# Altium PCB Display.PcbDoc
Units mm, origin at the board's own origin, x right, y up, seen from the top; angles counter-clockwise.
Board outline 140.59 x 160.1 mm, 2 copper layers (Top Layer, Bottom Layer), stack 0.9 mm thick; 128 components, 69 nets, 390 pads, 174 vias.
Unrouted connection lines stored in the file: 133.
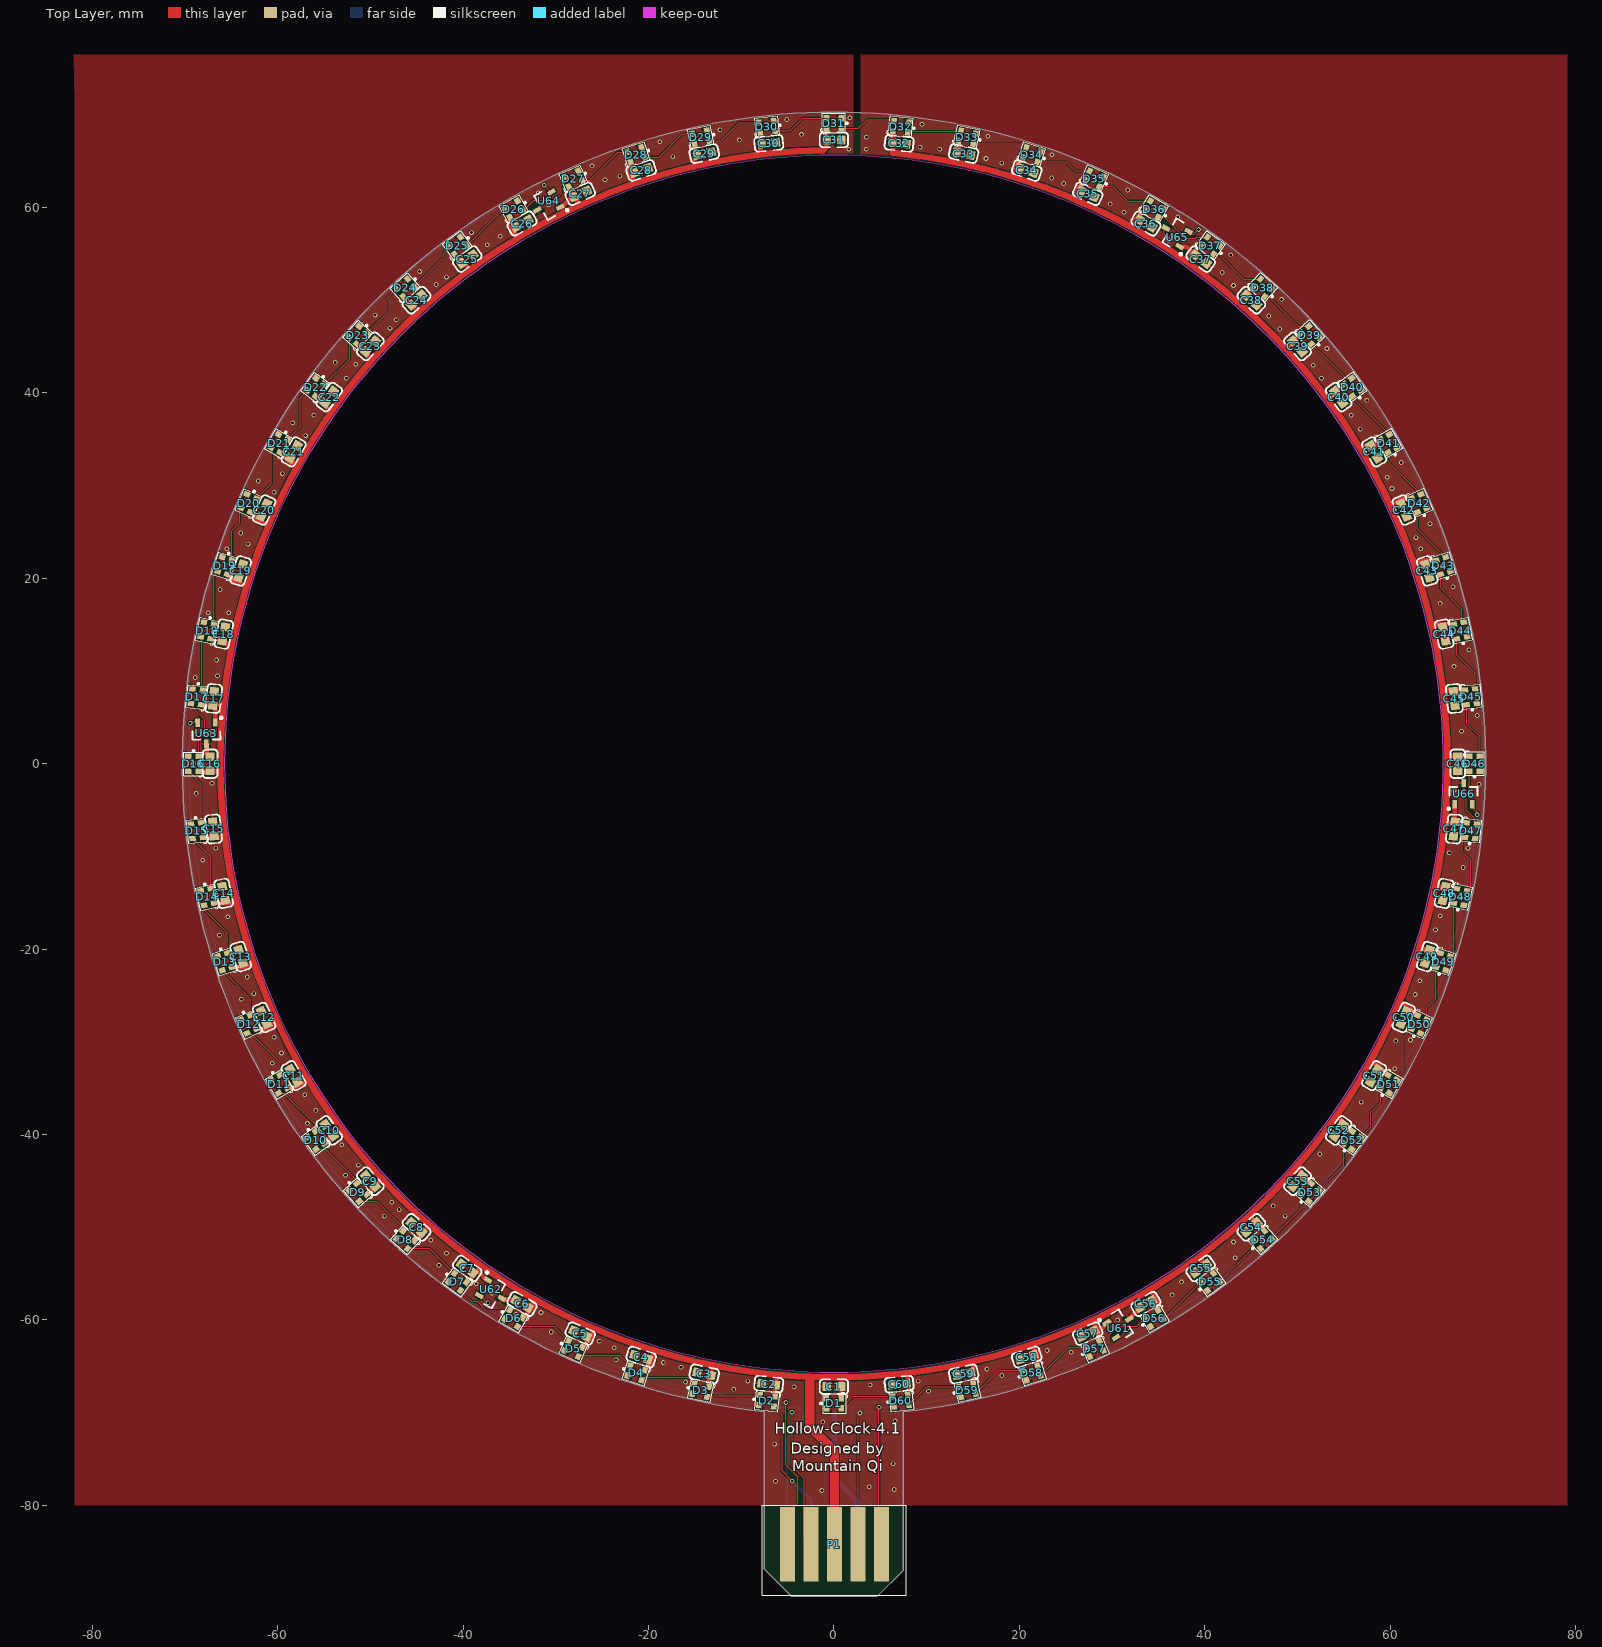
[diagram p0: Top Layer view]
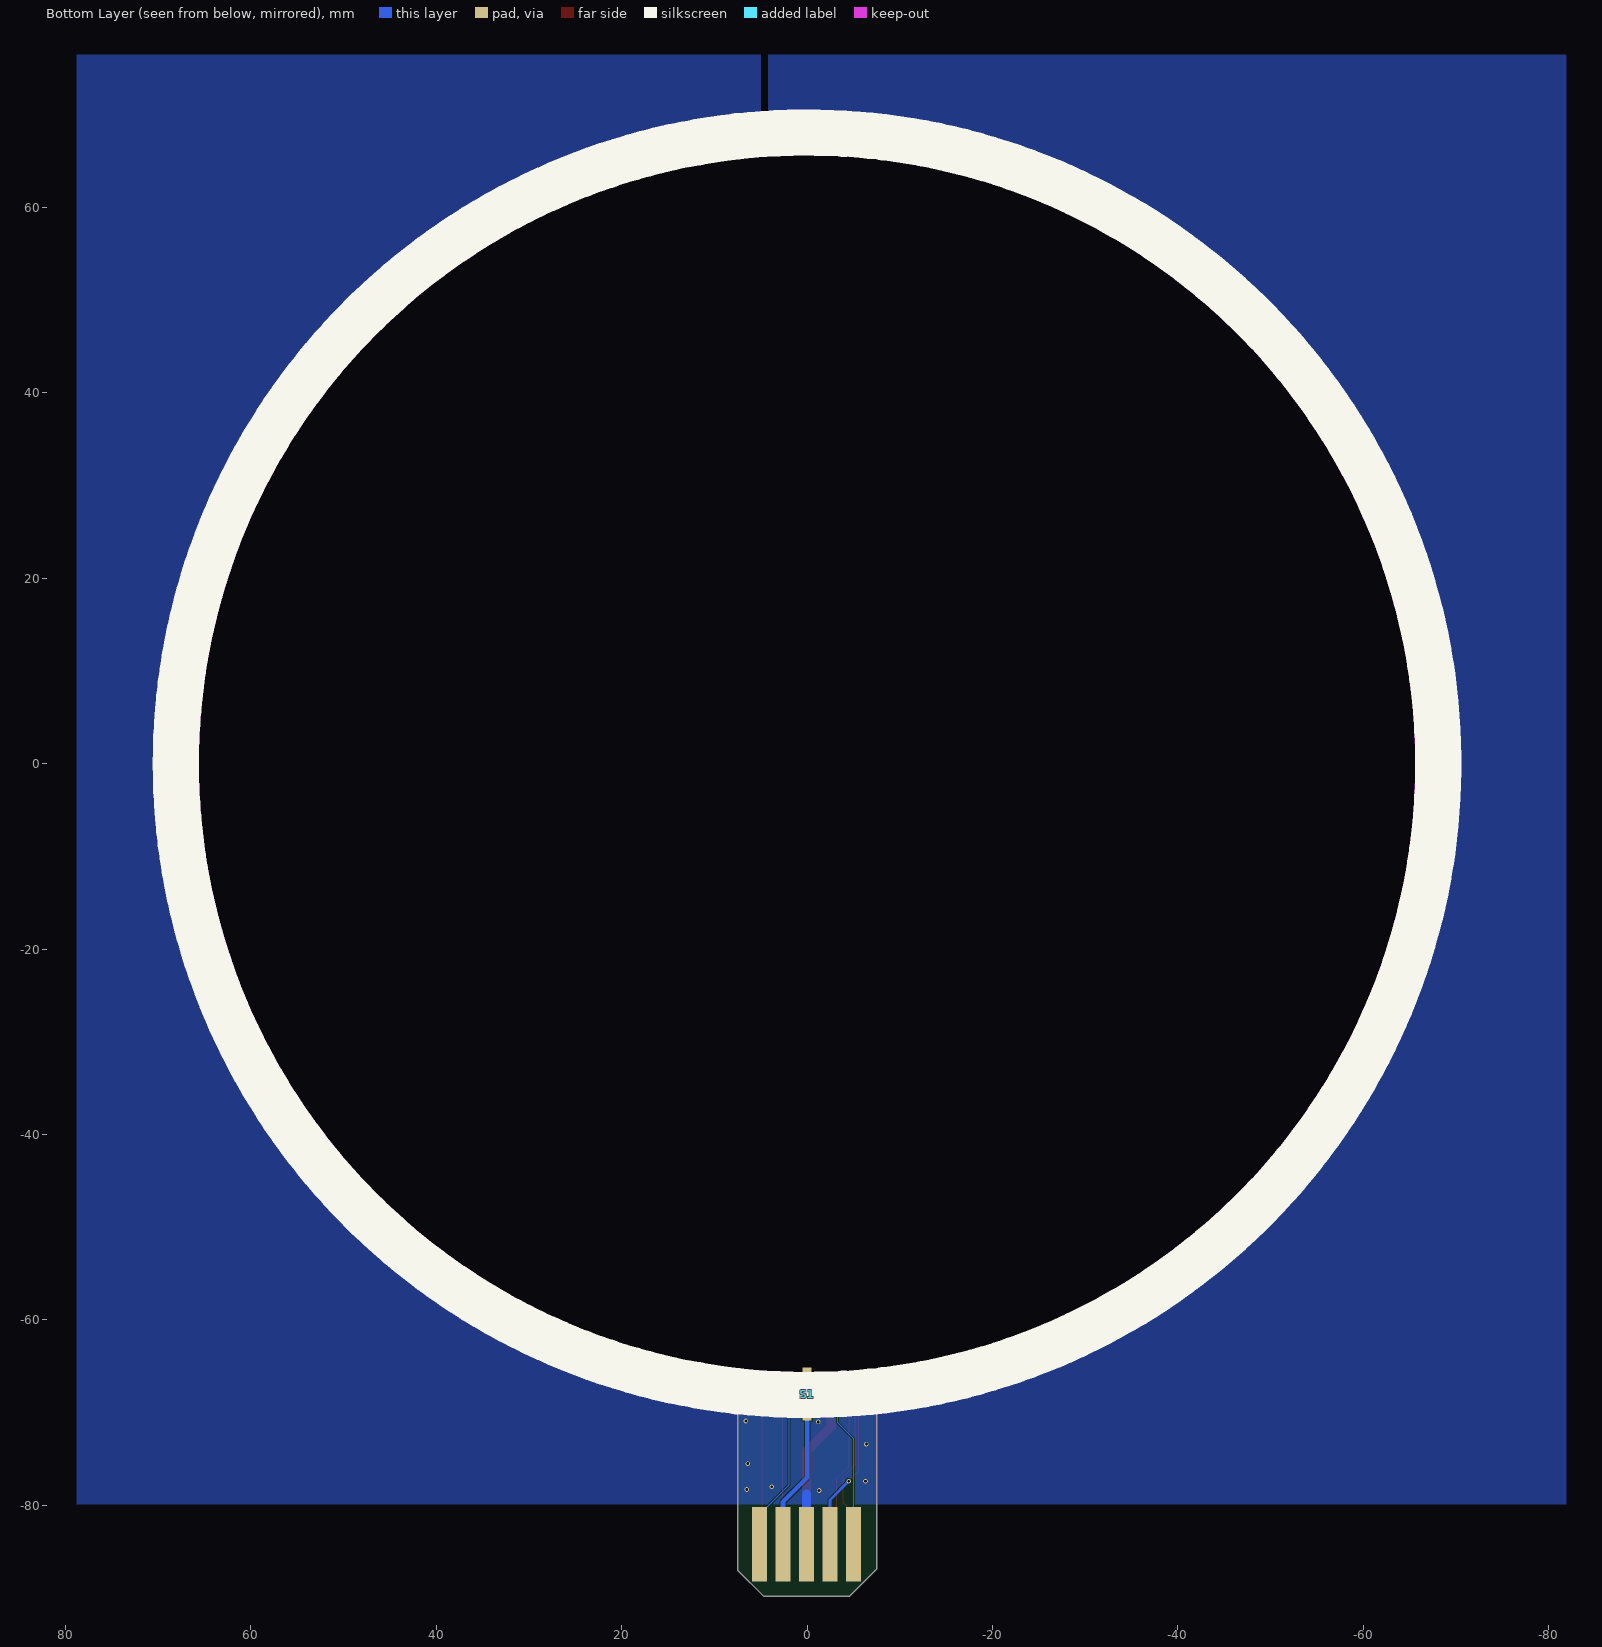
[diagram p1: Bottom Layer view, seen from below]
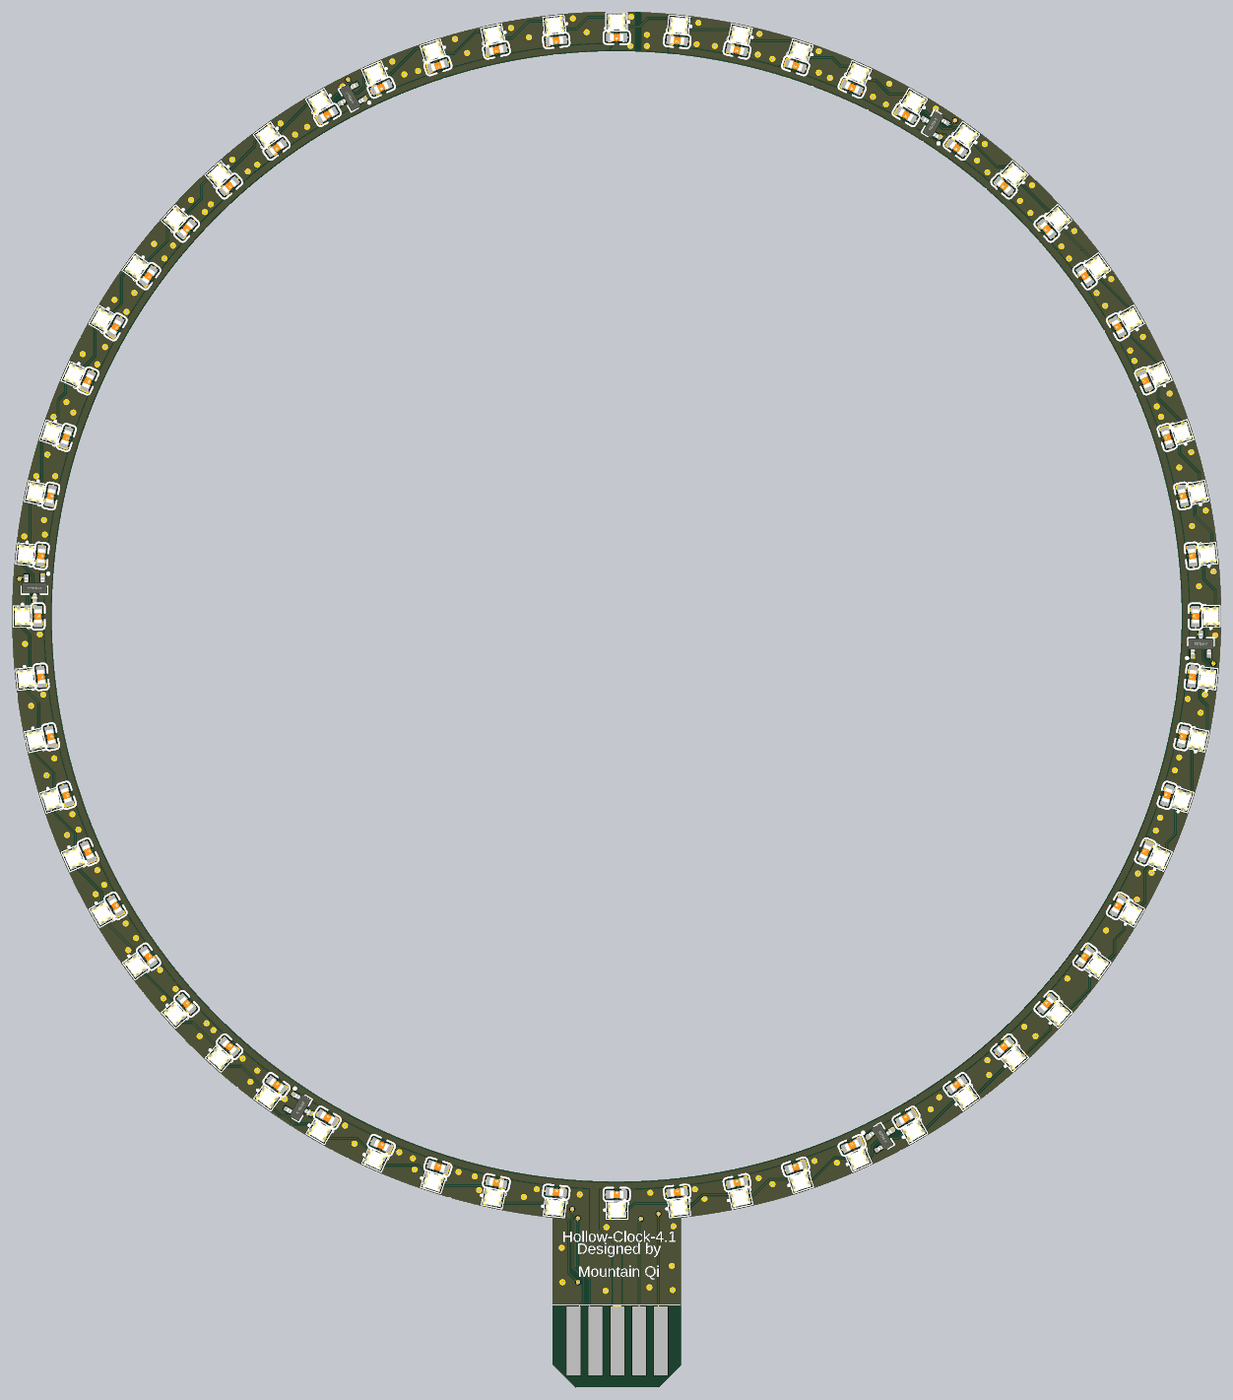
[diagram p2: 3D render of the assembled board from above, using the file's embedded part models]

## Layer stack, top to bottom
Top Solder: solder mask 0.05, Solder Resist, Dk 3.5
Top Layer: signal copper 0.1
Dielectric 1: dielectric 0.7, FR-4, Dk 4.8
Bottom Layer: signal copper 0.1
Bottom Solder: solder mask 0.05, Solder Resist, Dk 3.5

## Board outline
-4.6,-89.8 -7.5,-86.9 -7.5,-69.9 -7.5,-69.899 cw(c0,0) 7.5,-69.899 7.5,-69.9 7.5,-87 4.7,-89.8
cut-out: 0,-65.7 cw(c0,0) -65.7,0 cw(c0,0) 0,65.7 cw(c0,0) 65.7,0 cw(c0,0)

## Design rules (kind name [scope] priority, off if disabled: settings)
Clearance [All] p1: gap=0.127 ignorepadtopadclearanceinfootprint=FALSE except(0.15: SMDPad-Poly)
PolygonConnect [All] p1: thpad.connectstyle=Relief thpad.reliefconductorwidth=0.254 thpad.reliefentries=4 thpad.polygonreliefangle="90 Angle" thpad.airgapwidth=0.254 smdpad.connectstyle=Relief smdpad.reliefconductorwidth=0.254 smdpad.reliefentries=4 smdpad.polygonreliefangle="90 Angle" smdpad.airgapwidth=0.254 via.connectstyle=Direct via.reliefconductorwidth=0.254 via.reliefentries=4 via.polygonreliefangle="90 Angle" via.airgapwidth=0.254
RoutingVias [All] p1: holewidth=0.3 width=0.5 viastyle="Through Hole" minholewidth=0.3 minwidth=0.5 maxholewidth=5 maxwidth=10
SolderMaskExpansion [All] p1: expansion=0.102 istentingtop=FALSE
Width [All] p1: maxlimit=25.4 minlimit=0.1 preferedwidth=0.1
30 further rules are at their usual default settings.

## Components (designator, comment, footprint, x,y, rotation, side; value= is the part's Value field where it differs from the comment)
C1 "0.1uF" 0603_C 0,-67.2 r0 top locked value=0.1u
C2 "0.1uF" 0603_C -7.035,-66.931 r353.96 top locked value=0.1u
C3 "0.1uF" 0603_C -13.992,-65.829 r347.9 top locked value=0.1u
C4 "0.1uF" 0603_C -20.797,-64.006 r342.08 top locked value=0.1u
C5 "0.1uF" 0603_C -27.373,-61.481 r335.98 top locked value=0.1u
C6 "0.1uF" 0603_C -33.65,-58.283 r329.9 top locked value=0.1u
C7 "0.1uF" 0603_C -39.558,-54.447 r323.94 top locked value=0.1u
C8 "0.1uF" 0603_C -45.032,-50.014 r317.95 top locked value=0.1u
C9 "0.1uF" 0603_C -50.014,-45.032 r311.93 top locked value=0.1u
C10 "0.1uF" 0603_C -54.447,-39.558 r306.06 top locked value=0.1u
C11 "0.1uF" 0603_C -58.283,-33.65 r300 top locked value=0.1u
C12 "0.1uF" 0603_C -61.481,-27.373 r294.1 top locked value=0.1u
C13 "0.1uF" 0603_C -64.006,-20.797 r288.03 top locked value=0.1u
C14 "0.1uF" 0603_C -65.829,-13.992 r282.1 top locked value=0.1u
C15 "0.1uF" 0603_C -66.931,-7.035 r275.95 top locked value=0.1u
C16 "0.1uF" 0603_C -67.3,0 r269.83 top locked value=0.1u
C17 "0.1uF" 0603_C -66.931,7.035 r263.96 top locked value=0.1u
C18 "0.1uF" 0603_C -65.829,13.992 r257.99 top locked value=0.1u
C19 "0.1uF" 0603_C -64.006,20.797 r251.97 top locked value=0.1u
C20 "0.1uF" 0603_C -61.481,27.373 r245.98 top locked value=0.1u
C21 "0.1uF" 0603_C -58.283,33.65 r240 top locked value=0.1u
C22 "0.1uF" 0603_C -54.447,39.558 r233.99 top locked value=0.1u
C23 "0.1uF" 0603_C -50.014,45.032 r228.07 top locked value=0.1u
C24 "0.1uF" 0603_C -45.032,50.014 r222.05 top locked value=0.1u
C25 "0.1uF" 0603_C -39.558,54.447 r216.01 top locked value=0.1u
C26 "0.1uF" 0603_C -33.65,58.283 r209.84 top locked value=0.1u
C27 "0.1uF" 0603_C -27.373,61.481 r204.02 top locked value=0.1u
C28 "0.1uF" 0603_C -20.797,64.006 r198.03 top locked value=0.1u
C29 "0.1uF" 0603_C -13.992,65.829 r192.1 top locked value=0.1u
C30 "0.1uF" 0603_C -7.035,66.931 r186.04 top locked value=0.1u
C31 "0.1uF" 0603_C 0,67.3 r179.91 top locked value=0.1u
C32 "0.1uF" 0603_C 7.035,66.931 r173.97 top locked value=0.1u
C33 "0.1uF" 0603_C 13.992,65.829 r167.99 top locked value=0.1u
C34 "0.1uF" 0603_C 20.797,64.006 r161.97 top locked value=0.1u
C35 "0.1uF" 0603_C 27.373,61.481 r155.98 top locked value=0.1u
C36 "0.1uF" 0603_C 33.65,58.283 r149.78 top locked value=0.1u
C37 "0.1uF" 0603_C 39.558,54.447 r144 top locked value=0.1u
C38 "0.1uF" 0603_C 45.032,50.014 r137.95 top locked value=0.1u
C39 "0.1uF" 0603_C 50.014,45.032 r131.93 top locked value=0.1u
C40 "0.1uF" 0603_C 54.447,39.558 r125.94 top locked value=0.1u
C41 "0.1uF" 0603_C 58.283,33.65 r119.92 top locked value=0.1u
C42 "0.1uF" 0603_C 61.481,27.373 r113.91 top locked value=0.1u
C43 "0.1uF" 0603_C 64.006,20.797 r108.03 top locked value=0.1u
C44 "0.1uF" 0603_C 65.829,13.992 r102.01 top locked value=0.1u
C45 "0.1uF" 0603_C 66.931,7.035 r95.95 top locked value=0.1u
C46 "0.1uF" 0603_C 67.3,0 r89.91 top locked value=0.1u
C47 "0.1uF" 0603_C 66.931,-7.035 r84.21 top locked value=0.1u
C48 "0.1uF" 0603_C 65.829,-13.992 r77.99 top locked value=0.1u
C49 "0.1uF" 0603_C 64.006,-20.797 r71.89 top locked value=0.1u
C50 "0.1uF" 0603_C 61.481,-27.373 r65.9 top locked value=0.1u
C51 "0.1uF" 0603_C 58.283,-33.65 r60 top locked value=0.1u
C52 "0.1uF" 0603_C 54.447,-39.558 r53.99 top locked value=0.1u
C53 "0.1uF" 0603_C 50.014,-45.032 r47.95 top locked value=0.1u
C54 "0.1uF" 0603_C 45.032,-50.014 r41.74 top locked value=0.1u
C55 "0.1uF" 0603_C 39.558,-54.447 r36.06 top locked value=0.1u
C56 "0.1uF" 0603_C 33.65,-58.283 r29.8 top locked value=0.1u
C57 "0.1uF" 0603_C 27.373,-61.481 r24.17 top locked value=0.1u
C58 "0.1uF" 0603_C 20.797,-64.006 r18.03 top locked value=0.1u
C59 "0.1uF" 0603_C 13.992,-65.829 r12.01 top locked value=0.1u
C60 "0.1uF" 0603_C 7.035,-66.931 r6.04 top locked value=0.1u
D1 "WS2812" WS2812-2020 0,-69 r0.46 top locked
D2 "WS2812" WS2812-2020 -7.223,-68.721 r354 top locked
D3 "WS2812" WS2812-2020 -14.367,-67.59 r348.46 top locked
D4 "WS2812" WS2812-2020 -21.353,-65.718 r342.46 top locked
D5 "WS2812" WS2812-2020 -28.105,-63.126 r336 top locked
D6 "WS2812" WS2812-2020 -34.55,-59.842 r330 top locked
D7 "WS2812" WS2812-2020 -40.616,-55.903 r324 top locked
D8 "WS2812" WS2812-2020 -46.237,-51.351 r318 top locked
D9 "WS2812" WS2812-2020 -51.351,-46.237 r312 top locked
D10 "WS2812" WS2812-2020 -55.903,-40.616 r306 top locked
D11 "WS2812" WS2812-2020 -59.842,-34.55 r300 top locked
D12 "WS2812" WS2812-2020 -63.126,-28.105 r294 top locked
D13 "WS2812" WS2812-2020 -65.718,-21.353 r288 top locked
D14 "WS2812" WS2812-2020 -67.59,-14.367 r282.46 top locked
D15 "WS2812" WS2812-2020 -68.721,-7.223 r276 top locked
D16 "WS2812" WS2812-2020 -69.1,0 r270 top locked
D17 "WS2812" WS2812-2020 -68.721,7.223 r264 top locked
D18 "WS2812" WS2812-2020 -67.59,14.367 r258 top locked
D19 "WS2812" WS2812-2020 -65.718,21.353 r252.46 top locked
D20 "WS2812" WS2812-2020 -63.126,28.105 r246 top locked
D21 "WS2812" WS2812-2020 -59.842,34.55 r240 top locked
D22 "WS2812" WS2812-2020 -55.903,40.616 r234 top locked
D23 "WS2812" WS2812-2020 -51.351,46.237 r228 top locked
D24 "WS2812" WS2812-2020 -46.237,51.351 r222 top locked
D25 "WS2812" WS2812-2020 -40.616,55.903 r216 top locked
D26 "WS2812" WS2812-2020 -34.55,59.842 r210 top locked
D27 "WS2812" WS2812-2020 -28.105,63.126 r203.54 top locked
D28 "WS2812" WS2812-2020 -21.353,65.718 r198 top locked
D29 "WS2812" WS2812-2020 -14.367,67.59 r192 top locked
D30 "WS2812" WS2812-2020 -7.223,68.721 r186.46 top locked
D31 "WS2812" WS2812-2020 0,69.1 r180 top locked
D32 "WS2812" WS2812-2020 7.223,68.721 r174 top locked
D33 "WS2812" WS2812-2020 14.367,67.59 r168 top locked
D34 "WS2812" WS2812-2020 21.353,65.718 r162.46 top locked
D35 "WS2812" WS2812-2020 28.105,63.126 r156 top locked
D36 "WS2812" WS2812-2020 34.55,59.842 r149.54 top locked
D37 "WS2812" WS2812-2020 40.616,55.903 r144 top locked
D38 "WS2812" WS2812-2020 46.237,51.351 r138 top locked
D39 "WS2812" WS2812-2020 51.351,46.237 r132 top locked
D40 "WS2812" WS2812-2020 55.903,40.616 r126 top locked
D41 "WS2812" WS2812-2020 59.842,34.55 r120 top locked
D42 "WS2812" WS2812-2020 63.126,28.105 r113.53 top locked
D43 "WS2812" WS2812-2020 65.718,21.353 r108 top locked
D44 "WS2812" WS2812-2020 67.59,14.367 r102 top locked
D45 "WS2812" WS2812-2020 68.721,7.223 r96 top locked
D46 "WS2812" WS2812-2020 69.1,0 r90 top locked
D47 "WS2812" WS2812-2020 68.721,-7.223 r84 top locked
D48 "WS2812" WS2812-2020 67.59,-14.367 r78 top locked
D49 "WS2812" WS2812-2020 65.718,-21.353 r72 top locked
D50 "WS2812" WS2812-2020 63.126,-28.105 r66 top locked
D51 "WS2812" WS2812-2020 59.842,-34.55 r60 top locked
D52 "WS2812" WS2812-2020 55.903,-40.616 r54 top locked
D53 "WS2812" WS2812-2020 51.351,-46.237 r48 top locked
D54 "WS2812" WS2812-2020 46.237,-51.351 r42.01 top locked
D55 "WS2812" WS2812-2020 40.616,-55.903 r36 top locked
D56 "WS2812" WS2812-2020 34.55,-59.842 r30 top locked
D57 "WS2812" WS2812-2020 28.105,-63.126 r24 top locked
D58 "WS2812" WS2812-2020 21.353,-65.718 r17.54 top locked
D59 "WS2812" WS2812-2020 14.367,-67.59 r12.46 top locked
D60 "WS2812" WS2812-2020 7.223,-68.721 r6.22 top locked
P1 "Header 5X2" GoldFinger-2.54-5x2 -5.02,-84.2 r0 top
S1 "SW-SPST" contactor 0,-68 r180 bottom
U61 "CC6207ST" SOT23-3 30.9,-60.5 r302.14 top
U62 "CC6207ST" SOT23-3 -36.8,-57.1 r240 top
U63 "CC6207ST" SOT23-3 -67.7,3.3 r180.16 top
U64 "CC6207ST" SOT23-3 -31,60.3 r119.53 top
U65 "CC6207ST" SOT23-3 36.8,57.2 r59.69 top
U66 "CC6207ST" SOT23-3 67.928,-3.211 r359.84 top

## Footprints (in the part's own frame and the unit in brackets; to place one, negate y for a bottom-side part, rotate by r counter-clockwise, add the part's x,y. Pads: shape width x height; smd on the part's side, far side on the other; paste and mask are expansions set on the pad)
0603_C [mm] "无极性贴片电容"
  rect 0.93x0.98 smd: 1(-0.77,0) 2(0.77,0)
  silkscreen extent -1.53,-0.79 1.54,0.79, body extent -0.8,-0.4 0.8,0.4, height 0.3
contactor [mm] "接触点"
  rect 1x2.7 smd: 1(0,1.5) 2(0,-1.5)
GoldFinger-2.54-5x2 [mm] "金手指插槽，2.54，5*2=10P"
  rect 1.6x8 smd: 1(0,0) 3(2.54,0) 5(5.08,0) 7(7.62,0) 9(10.16,0)
  rect 1.6x8 smd far side: 2(0,0) 4(2.54,0) 6(5.08,0) 8(7.62,0) 10(10.16,0)
  silkscreen extent -2.71,-5.5 12.83,4.19
SOT23-3 [mm] "3x1.3x1mm(长宽高)"
  rect 0.5x0.9 smd: 1(-0.95,-1.143) 2(0.95,-1.143) 3(0,1.143)
  silkscreen extent -1.72,-1.78 1.5,0.7, body extent -1.5,-1.2 1.5,1.2, height 1.05
WS2812-2020 [mm] "WS2812,幻彩LED，2020封装"
  rect 0.6x0.7 smd: 1(0.8,0.55) 2(-0.8,0.55) 3(-0.8,-0.55) 4(0.8,-0.55)
  silkscreen extent -1.5,-1.07 1.42,1.17, body extent -1,-0.9 1,0.9, height 0.8

## Part data
C1 C2 C3 C4 C5 C6 C7 C8 C9 C10 C11 C12 C13 C14 C15 C16 C17 C18 C19 C20 C21 C22 C23 C24 C25 C26 C27 C28 C29 C30 C31 C32 C33 C34 C35 C36 C37 C38 C39 C40 C41 C42 C43 C44 C45 C46 C47 C48 C49 C50 C51 C52 C53 C54 C55 C56 C57 C58 C59 C60: library part 电容-0402, "Capacitor"
D1 D2 D3 D4 D5 D6 D7 D8 D9 D10 D11 D12 D13 D14 D15 D16 D17 D18 D19 D20 D21 D22 D23 D24 D25 D26 D27 D28 D29 D30 D31 D32 D33 D34 D35 D36 D37 D38 D39 D40 D41 D42 D43 D44 D45 D46 D47 D48 D49 D50 D51 D52 D53 D54 D55 D56 D57 D58 D59 D60: library part ADA-RGB-1655-4, "Intelligent Control LED Integrated Light Source, 3.5 to 5.3 V, -25 to 80 degC, 4-Pin SMD, RoHS, Tape and Reel", Color=Red,Green,Blue(RGB), Manufacturer=Adafruit-Industries-LLC, Package Description="4-Pin Surface Mount Device, Body 5 x 5 mm", Package Reference=1655, Category=Optoelectronics, Configuration=Discrete, Controller Type=-, Datasheet URL=http://datasheet.octopart.com/ADA1655-Adafruit-Industries-datasheet-32028139.pdf, Datasheet Version=May-13, Family=Addressable,Specialty, Interface=-, Manufacturer URL=https://www.adafruit.com/, Mounting Type=SurfaceMount, Number of LEDs=10, Series=Neopixel, Size / Dimension=5.00mmLx5.00mmW, Utilized LED=WS2812(5050)
P1: "Header, 5-Pin, Dual row", LatestRevisionDate=17-Jul-2002, LatestRevisionNote="Re-released for DXP Platform.", Publisher="Altium Limited"
S1: "Single-Pole, Single-Throw Switch", LatestRevisionDate=17-Jul-2002, LatestRevisionNote="Re-released for DXP Platform.", PackageDescription="Switch; 2 Leads", PackageReference=SPST-2, Published=24-Mar-1999, Publisher="Altium Limited"
U61 U62 U63 U64 U65 U66: "SOT-23 全极性锁存型微功耗霍尔效应开关传感器"

## Via types
v1: diameter 0.5, hole 0.3, Top Layer to Bottom Layer, 174 vias

## Nets (pads, with @x,y where several pads share a name; then routed paths per layer and width w, separated by ;. In a path a pad name is that pad's centre, name@x,y a point inside that pad or via, vN(x,y) a via of type N, cw(c..) or ccw(c..) an arc to the next point about the centre after c; other vN are vias at no path point)
5V: C1.2 C2.2 C3.2 C4.2 C5.2 C6.2 C7.2 C8.2 C9.2 C10.2 C11.2 C12.2 C13.2 C14.2 C15.2 C16.2 C17.2 C18.2 C19.2 C20.2 C21.2 C22.2 C23.2 C24.2 C25.2 C26.2 C27.2 C28.2 C29.2 C30.2 C31.2 C32.2 C33.2 C34.2 C35.2 C36.2 C37.2 C38.2 C39.2 C40.2 C41.2 C42.2 C43.2 C44.2 C45.2 C46.2 C47.2 C48.2 C49.2 C50.2 C51.2 C52.2 C53.2 C54.2 C55.2 C56.2 C57.2 C58.2 C59.2 C60.2 D1.1 D2.1 D3.1 D4.1 D5.1 D6.1 D7.1 D8.1 D9.1 D10.1 D11.1 D12.1 D13.1 D14.1 D15.1 D16.1 D17.1 D18.1 D19.1 D20.1 D21.1 D22.1 D23.1 D24.1 D25.1 D26.1 D27.1 D28.1 D29.1 D30.1 D31.1 D32.1 D33.1 D34.1 D35.1 D36.1 D37.1 D38.1 D39.1 D40.1 D41.1 D42.1 D43.1 D44.1 D45.1 D46.1 D47.1 D48.1 D49.1 D50.1 D51.1 D52.1 D53.1 D54.1 D55.1 D56.1 D57.1 D58.1 D59.1 D60.1 P1.5 U61.1 U62.1 U63.1 U64.1 U65.1 U66.1 | length 591.8
  Top Layer w0.5: D16.1 -66.192,-0.8 ; D17.1 -65.988,6.37 ; D15.1 -65.82,-7.961 ; D18.1 -66.034,13.47 -64.933,12.368 ; C17.2 -66.754,6.011 U63.1 U63.1 ; D14.1 -64.932,-15.029 -64.474,-14.571 ; D19.1 -65.31,20.3 -65.278,20.3 -64.577,19.6 -64.1,19.6 -63.8,19.3 -63.223,19.3 ; D13.1 -63.269,-21.944 -62.587,-21.262 ; D20.1 -62.923,27.151 -61.726,25.954 -60.792,25.954 ; D12.1 -62.278,-28.592 -61.01,-28.592 -60.048,-27.63 ; D21.1 -59.748,33.582 -58.605,32.439 -57.592,32.439 ; D11.1 -58.941,-34.943 -57.709,-34.943 -56.715,-33.949 ; D22.1 -55.917,39.645 -54.578,38.307 -53.869,38.307 ; D10.1 -54.977,-40.94 -53.777,-39.74 -52.82,-39.74 ; D23.1 -51.474,45.274 -49.903,43.703 ; D9.1 -50.403,-46.463 -48.952,-45.012 -48.406,-45.012 ; D24.1 -46.463,50.403 -44.959,48.899 -44.959,48.455 ; D8.1 -45.274,-51.474 -43.598,-49.798 ; D25.1 -40.94,54.977 -39.404,53.441 -39.404,53.071 ; D7.1 -39.645,-55.917 -38.193,-54.465 -38.193,-53.949 ; -38.265,-54.889 -37.449,-55.706 U62.1 ; D26.1 -34.943,58.941 -34.943,57.709 -33.949,56.715 ; D6.1 -32.5,-58.684 -32.5,-57.583 ; U64.1 -29.38,60.037 -28.249,61.168 C27.2 ; D27.1 -28.619,62.183 -28.219,61.783 C27.2@-28.219,61.427 ; C27.2@-27.869,60.94 -27.869,60.847 -27.51,60.488 -27.51,60.103 ; D5.1 -27.151,-62.923 -26.002,-61.775 -26.002,-60.771 ; D28.1 -21.944,63.389 -21.172,62.618 ; D4.1 -20.424,-65.402 -19.46,-64.438 -19.46,-63.171 ; D29.1 -15.035,64.937 -14.571,64.474 ; D3.1 -13.473,-65.579 -12.752,-64.858 ; D30.1 -7.956,65.925 -7.683,65.652 ; D2.1 -6.37,-66.57 -5.894,-66.094 -5.894,-65.837 ; -1.154,66.09 -0.8,66.444 D31.1 ; D1.1 0.796,-66.101 ; 6.335,65.796 6.37,65.83 D32.1 ; 7.694,-65.651 7.959,-65.915 D60.1 ; 12.464,64.914 13.47,65.92 D33.1 ; 14.783,-64.426 15.029,-64.672 D59.1 ; 19.3,63.249 19.3,63.9 19.5,64.1 19.5,64.477 20.3,65.278 20.3,65.31 D34.1 ; 21.052,-62.658 21.95,-63.556 D58.1 ; 26.002,60.771 26.002,61.775 27.151,62.923 D35.1 ; 27.63,-60.048 28.592,-61.01 ; D57.1 28.592,-62.278 28.592,-61.01 ; U61.1@29.739,-60.158 29.676,-60.158 28.823,-61.01 28.592,-61.01 ; 32.364,57.635 32.364,58.538 33.582,59.756 D36.1 ; 33.979,-56.698 34.943,-57.662 34.943,-58.941 D56.1 ; U65.1 37.408,55.702 37.558,55.702 37.638,55.782 38.052,55.782 C37.2@38.781,55.053 ; 38.174,53.963 38.174,54.445 C37.2@38.781,55.053 ; C37.2 C37.2@38.781,55.053 ; D37.1 39.645,55.917 C37.2@38.781,55.053 ; 39.692,-52.856 39.692,-53.729 40.94,-54.977 D55.1 ; 43.647,49.847 45.274,51.474 D38.1 ; 44.909,-48.502 44.909,-48.849 46.463,-50.403 D54.1 ; 48.795,44.855 50.403,46.463 D39.1 ; 49.798,-43.598 51.474,-45.274 D53.1 ; 52.904,39.628 53.665,39.628 54.977,40.94 D40.1 ; 53.996,-38.127 54.398,-38.127 55.917,-39.645 D52.1 ; 56.53,34.258 58.256,34.258 D41.1 ; 57.659,-32.321 58.486,-32.321 59.748,-33.582 D51.1 ; 60.048,27.63 61.017,28.599 62.282,28.599 D42.1 ; 60.828,-25.869 61.642,-25.869 62.923,-27.151 D50.1 ; 62.597,21.231 63.31,21.944 D43.1 ; 63.162,-19.488 64.096,-20.422 D49.1 ; 64.5,14.455 65.08,15.035 D44.1 ; 64.851,-12.79 65.53,-13.47 D48.1 ; 65.652,7.683 65.93,7.961 D45.1 ; 65.988,-6.37 D47.1 ; 66.098,0.8 D46.1 ; U66.1 U66.1 C47.2@66.976,-6.236
  Top Layer w0.7: -1.155,66.19 ccw(c0,0) 6.345,65.895
  Top Layer w1: -2.6,-66.3 -2.6,-71.5 0.06,-74.16 P1.5
GND: C1.1 C2.1 C3.1 C4.1 C5.1 C6.1 C7.1 C8.1 C9.1 C10.1 C11.1 C12.1 C13.1 C14.1 C15.1 C16.1 C17.1 C18.1 C19.1 C20.1 C21.1 C22.1 C23.1 C24.1 C25.1 C26.1 C27.1 C28.1 C29.1 C30.1 C31.1 C32.1 C33.1 C34.1 C35.1 C36.1 C37.1 C38.1 C39.1 C40.1 C41.1 C42.1 C43.1 C44.1 C45.1 C46.1 C47.1 C48.1 C49.1 C50.1 C51.1 C52.1 C53.1 C54.1 C55.1 C56.1 C57.1 C58.1 C59.1 C60.1 D1.3 D2.3 D3.3 D4.3 D5.3 D6.3 D7.3 D8.3 D9.3 D10.3 D11.3 D12.3 D13.3 D14.3 D15.3 D16.3 D17.3 D18.3 D19.3 D20.3 D21.3 D22.3 D23.3 D24.3 D25.3 D26.3 D27.3 D28.3 D29.3 D30.3 D31.3 D32.3 D33.3 D34.3 D35.3 D36.3 D37.3 D38.3 D39.3 D40.3 D41.3 D42.3 D43.3 D44.3 D45.3 D46.3 D47.3 D48.3 D49.3 D50.3 D51.3 D52.3 D53.3 D54.3 D55.3 D56.3 D57.3 D58.3 D59.3 D60.3 P1.6 S1.1 U61.3 U62.3 U63.3 U64.3 U65.3 U66.3 | length 10.2
  Top Layer w0.5: U63.3 -67.696,2.156 -67.696,1.143 -67.322,0.77 C16.1 ; U62.3 -35.71,-57.772 -34.778,-57.772 -34.652,-57.897 C6.1 ; U61.3 31.868,-59.872 32.982,-58.758 C56.1
  Bottom Layer w1: P1.6 0.06,-78.8
  other v1: -1.3,-78.4 6.5,-78.3 3.8,-78 -6.3,-77.4 6.4,-75.5 -6.4,-73.4 -1.2,-71 6.6,-70.9 10.2,-67.7 -10.8,-67.5 -4.3,-67.2 3.9,-67 -16,-66.7 -9.3,-66.6 9.1,-66.6 18.1,-66 16.5,-65.3 -16.5,-65.1 -18.4,-64.6 -23.5,-64.3 25.6,-63.5 23,-63.3 -23.7,-63 -25.3,-62.3 -30.5,-61.3 30.6,-60 34.5,-59.9 -34.3,-59.4 -31.6,-59.2 36.5,-57.3 -36.9,-57.1 -38.6,-56.1 37.5,-55.9 -42.6,-54.1 43.3,-53.3 -41.8,-52.8 43.1,-51.6 -43.5,-51.4 46.2,-51.3 -48.5,-48.8 48.7,-48.8 -46.9,-48.1 47.4,-47.7 -47.7,-47.3 51.3,-46.2 -52.7,-44.4 -51.3,-43.3 52.4,-42.1 -53.1,-41.1 55.9,-40.6 -56.8,-38.8 -55.9,-37.4 56.9,-36.5 -57.1,-35.7 59.8,-34.5 60.5,-32.9 -60.6,-32.3 -59.6,-31.2 60.6,-29.9 62.2,-29.8 -60.4,-29.5 -63.924,-25.414 62.7,-24.9 -62.6,-24.8 63.2,-23.4 -63.3,-23 65.7,-21.4 -66.3,-18.5 64.9,-17.9 -65.4,-16.5 65.4,-16.4 67.6,-14.4 67.9,-11.2 -68.1,-10.4 66.4,-9.6 -66.7,-9.1 68.4,-9.1 -68.8,-3.2 66.9,-2.9 69.6,-2.2 -67.1,-2.1 -69.1,0 -67.4,3.3 67.7,3.5 69.4,5.2 -68.9,9.3 -66.5,9.5 66.9,10.5 -66.6,11.2 68.5,12.3 -67.5,16.3 -65.3,16.3 65.4,17.3 -66.2,18.8 66.8,19.1 -65.5,23.2 63.3,23.2 -63.2,23.7 62.8,24.4 -64,24.9 64.3,25.9 -60.4,29.3 60.2,29.7 -62.1,30.5 59.7,30.9 -59.5,31.3 61.2,32.5 -57,35.4 56.8,36.1 -58.4,36.8 -56.1,37.6 55.8,37.6 57.5,39.2 -52.6,41.6 52.6,41.6 51.7,43 -51.6,43.1 -53.8,43.3 53.2,44.8 48.1,46.9 -47.9,47 -47.2,47.9 46.9,48.3 -49.5,48.4 48.3,50.1 43.1,51.6 -42.9,51.7 -41.8,52.5 41.9,53 -44.7,53.1 42.8,54.9 -37.4,56 36.1,56.5 -36,56.9 -39.1,57.3 37.1,59 31.3,59.5 -30.8,60.3 29.8,60.4 -31.9,61.6 31.7,61.9 24.8,62.6 -24.7,63 23.5,63.2 -23.1,63.4 -26.1,64.5 18.1,64.8 16.4,65.3 -17.4,65.5 23.5,65.7 1.6,66.3 3.5,66.3 11.4,66.3 9.3,66.5 -18.8,67.1 -10.2,67.3 3.5,67.6 16.6,67.7 -3.5,67.9 -12.3,68.4 9.5,69 -5.1,69.5 1.7,69.7
NetD1_4: D1.4 D60.2 | length 6.1
  Top Layer w0.1: D1.4 0.804,-69.494 2.037,-68.261 D60.2
NetD2_2: D2.2 D3.4 | length 5.8
  Top Layer w0.127: D3.4 -13.611,-68.207 -8.077,-68.207 D2.2
NetD3_2: D3.2 D4.4 | length 6.1
  Top Layer w0.1: D4.4 -20.639,-66.483 -20.356,-66.2 -15.755,-66.2 -15.064,-66.891 D3.2
NetD4_2: D4.2 D5.4 | length 6.2
  Top Layer w0.1: D5.4 -27.445,-63.8 -23.102,-63.8 D4.2
NetD5_2: D5.2 D6.4 | length 6.2
  Top Layer w0.1: D6.4@-34.107,-60.694 -30.217,-60.694 D5.2
NetD6_2: D6.2 D7.4 | length 6.2
  Top Layer w0.1: D7.4 -39.11,-58 -38.5,-58 -37.5,-59 -35.002,-59 D6.2
NetD7_2: D7.2 D8.4 | length 6.2
  Top Layer w0.1: D8.4 -43.632,-52.295 D7.2
NetD8_2: D8.2 D9.4 | length 6.3
  Top Layer w0.1: D9.4 -49.301,-47.199 -46.463,-50.037 D8.2
NetD9_2: D9.2 D10.4 | length 6.1
  Top Layer w0.1: D10.4 -54.814,-41.586 -51.478,-44.922 D9.2
NetD11_2: D11.2 D12.4 | length 6.2
  Top Layer w0.1: D12.4 -63.192,-29.171 -62.829,-29.171 -59.848,-32.152 -59.848,-33.5 D11.2
NetD12_2: D12.2 D13.4 | length 6.1
  Top Layer w0.1: D13.4 -62.949,-25.329 D12.2
NetD13_2: D13.2 D14.4 | length 6.2
  Top Layer w0.1: D14.4 -67.954,-15.746 -65.442,-18.258 D13.2
NetD14_2: D14.2 D15.4 | length 6.2
  Top Layer w0.1: D15.4 -68.858,-8.402 -67.225,-10.035 D14.2
NetD15_2: D15.2 D16.4 | length 6.2
  Top Layer w0.1: D16.4 -69.6,-0.8 -69.35,-1.05 -69.35,-1.1 -68.258,-2.192 D15.2
NetD16_2: D16.2 D17.4 | length 6.6
  Top Layer w0.1: D17.4 -69.158,6.291 -69.158,6.058 -67.9,4.8 -67.9,3.704 -68.55,3.054 D16.2
NetD17_2: D17.2 D18.4 | length 5.8
  Top Layer w0.1: D18.4 -68.211,13.615 -68.211,8.081 D17.2
NetD18_2: D18.2 D19.4 | length 5.9
  Top Layer w0.1: D18.2 -66.886,20.354 D19.4
NetD19_2: D19.2 D20.4 | length 6.1
  Top Layer w0.1: D19.2 -64.952,25.148 -64.1,26 -64.1,27.173 -64.09,27.183 -64.09,27.462 D20.4
NetD21_2: D21.2 D22.4 | length 6.2
  Top Layer w0.1: D21.2 -57.6,36.334 -57.6,39.51 D22.4
NetD22_2: D22.2 D23.4 | length 6.2
  Top Layer w0.1: D22.2 -52.262,43.666 -52.262,45.977 D23.4
NetD23_2: D23.2 D24.4 | length 6.1
  Top Layer w0.1: D23.2 -48.3,48.57 -48.3,50.124 D24.4
NetD24_2: D24.2 D25.4 | length 5.9
  Top Layer w0.1: D24.2 -42.1,54.652 -42.1,55.1 -41.586,55.614 D25.4
NetD25_2: D25.2 D26.4 | length 5.8
  Top Layer w0.1: D25.2 -39.542,55.928 -35.552,59.919 D26.4
NetD26_2: D26.2 D27.4 | length 6.9
  Top Layer w0.1: D26.2 -33.434,59.766 -32.4,60.8 -30.1,60.8 -29.4,61.5 -29.4,62.734 -29.059,63.076 D27.4
NetD27_2: D27.2 D28.4 | length 6.1
  Top Layer w0.1: D27.2 -26.363,62.941 -23.31,65.994 D28.4
NetD28_2: D28.2 D29.4 | length 6.2
  Top Layer w0.1: D28.2 -18.858,65.442 -16.338,67.962 D29.4
NetD29_2: D29.2 D30.4 | length 6.2
  Top Layer w0.1: D29.2 -12.182,67.218 -10.222,69.178 D30.4
NetD31_2: D31.2 D32.4 | length 6.1
  Top Layer w0.1: D31.2 2.65,68.55 3.6,69.5 6.337,69.5 D32.4
NetD32_2: D32.2 D33.4 | length 5.8
  Top Layer w0.1: D32.2 8.081,68.211 13.615,68.211 D33.4
NetD33_2: D33.2 D34.4 | length 5.9
  Top Layer w0.1: D33.2 20.354,66.886 D34.4
NetD34_2: D34.2 D35.4 | length 6.1
  Top Layer w0.1: D34.2 25.048,64.952 26.046,63.954 D35.4
NetD35_2: D35.2 D36.4 | length 6.2
  Top Layer w0.1: D35.2 30.102,62.298 31.703,60.697 34.114,60.697 D36.4
NetD36_2: D36.2 D37.4 | length 6.3
  Top Layer w0.1: D36.2 34.986,58.988 35.612,58.988 37.9,56.7 39,56.7 39.089,56.789 40.263,56.789 D37.4
NetD37_2: D37.2 D38.4 | length 6.2
  Top Layer w0.1: D37.2 40.969,55.017 41.483,55.017 44.233,52.267 45.982,52.267 D38.4
NetD38_2: D38.2 D39.4 | length 6.1
  Top Layer w0.1: D38.2 46.492,50.435 46.87,50.435 50.107,47.199 D39.4
NetD39_2: D39.2 D40.4 | length 5.9
  Top Layer w0.1: D39.2 51.542,45.274 55.23,41.586 D40.4
NetD41_2: D41.2 D42.4 | length 6
  Top Layer w0.1: D41.2 59.741,33.557 59.741,32.628 D42.4
NetD42_2: D42.2 D43.4 | length 6.1
  Top Layer w0.1: D42.2 62.941,25.337 D43.4
NetD43_2: D43.2 D44.4 | length 6.2
  Top Layer w0.1: D43.2 65.442,18.97 67.752,16.659 67.752,15.473 D44.4
NetD44_2: D44.2 D45.4 | length 6.2
  Top Layer w0.1: D44.2 67.218,11.741 69.185,9.774 D45.4
NetD45_2: D45.2 D46.4 | length 6.1
  Top Layer w0.1: D45.2 68.258,4.342 69.6,3 69.6,0.85 D46.4
NetD46_2: D46.2 D47.4 | length 6.3
  Top Layer w0.1: D46.2 68.55,-2.95 68.2,-3.3 68.2,-5 69.085,-5.885 69.085,-6.218 D47.4
NetD47_2: D47.2 D48.4 | length 6.4
  Top Layer w0.1: D47.2 67.805,-8.246 67.805,-8.299 67.8,-8.305 67.8,-9.5 68.7,-10.4 68.7,-13.267 68.294,-13.673 D48.4
NetD48_2: D48.2 D49.4 | length 5.9
  Top Layer w0.1: D49.4 66.886,-20.365 D48.2
NetD49_2: D49.2 D50.4 | length 6.1
  Top Layer w0.1: D50.4 63.954,-26.346 64.948,-25.352 D49.2
NetD51_2: D51.2 D52.4 | length 6.2
  Top Layer w0.1: D52.4 57.9,-39.21 57.9,-37.6 58.991,-36.509 58.991,-34.993 D51.2
NetD52_2: D52.2 D53.4 | length 6.2
  Top Layer w0.1: D53.4 55.017,-43.288 55.017,-40.969 D52.2
NetD53_2: D53.2 D54.4 | length 6.1
  Top Layer w0.1: D54.4 50.407,-48.017 50.407,-46.899 50.435,-46.87 50.435,-46.492 D53.2
NetD54_2: D54.2 D55.4 | length 6
  Top Layer w0.1: D55.4 45.274,-52.19 45.274,-51.921 45.306,-51.889 45.306,-51.51 D54.2
NetD55_2: D55.2 D56.4 | length 5.8
  Top Layer w0.1: D56.4 35.585,-59.919 39.576,-55.928 D55.2
NetD56_2: D56.2 D57.4 | length 6.6
  Top Layer w0.1: D57.4 29.7,-62.663 29.7,-61.6 30.6,-60.7 32.648,-60.7 D56.2
NetD57_2: D57.2 D58.4 | length 6.1
  Top Layer w0.1: D58.4 25.334,-62.949 D57.2
NetD58_2: D58.2 D59.4 | length 6.2
  Top Layer w0.1: D59.4 17.786,-65.434 D58.2
NetD59_2: D59.2 D60.4 | length 6.2
  Top Layer w0.127: D60.4 8.078,-69.137 9.989,-67.225 D59.2
WS2812: D2.4 P1.4 | length 16.5
  Top Layer w0.1: D2.4 -6.485,-69.396 -5.6,-70.281 -5.6,-76.3 v1(-4.5,-77.4)
  Bottom Layer w0.3: v1(-4.5,-77.4) -2.48,-79.42 P1.4
开关: P1.8 S1.2 | length 15.1
  Bottom Layer w0.5: S1.2@0,-70.2 0,-77 2.6,-79.6 P1.8
第一排: D10.2 D11.4 | length 6.1
  Top Layer w0.1: D11.4 -59.912,-35.525 -59.375,-35.525 -55.928,-38.972 D10.2
第三排: D30.2 D31.4 | length 6.1
  Top Layer w0.1: D30.2 -4.735,68.265 -3.35,69.65 D31.4
第二排: D20.2 D21.4 | length 6.2
  Top Layer w0.1: D20.2 -60.694,30.217 -60.694,34.107 D21.4
第五排: D50.2 D51.4 | length 6.2
  Top Layer w0.1: D51.4 60.719,-33.871 61.424,-33.166 61.424,-29.487 D50.2
第四排: D40.2 D41.4 | length 5.8
  Top Layer w0.1: D40.2 55.928,39.542 59.919,35.552 D41.4
霍尔1: P1.10 U61.2 | length 49.2
  Top Layer w0.1: U61.2@30.438,-61.813 30.962,-61.813 31.5,-61.274 31.826,-61.274 v1(31.9,-61.2)
  Bottom Layer w0.1: P1.10 5.14,-81 1.949,-77.809 1.949,-69.417 2.408,-68.958 ccw(c0,0) v1@31.861,-61.204
霍尔2: P1.1 U62.2 | length 51.9
  Top Layer w0.1: U62.2@-38.365,-57.251 -38.228,-57.251 v1(-37.331,-58.148) ; v1(-5.181,-68.905) -5.181,-75.619 -3.9,-76.9 -3.9,-79.7 -4.309,-80.109 -4.309,-83.489 P1.1
  Bottom Layer w0.1: v1(-37.331,-58.148) ccw(c0,0) v1(-5.181,-68.905)
霍尔3: P1.2 U63.2 | length 126.3
  Top Layer w0.1: v1(-69.463,4.37) -69.292,4.54 U63.2@-68.653,4.54
  Bottom Layer w0.1: v1@-69.478,4.319 ccw(c0,0) -3.886,-69.504 -3.3,-70.09 -3.3,-71.1 -5.02,-72.82 P1.2
霍尔4: P1.3 U64.2 | length 199.5
  Top Layer w0.1: v1(-4.524,-69.954) -4.524,-75.776 -3.2,-77.1 -3.2,-83.48 P1.3
  Top Layer w0.127: v1(-31.254,62.412) -30.532,61.69 U64.2
  Bottom Layer w0.1: -31.532,62.608 ccw(c0,0) v1(-4.524,-69.954)
  Bottom Layer w0.127: -31.532,62.608 -31.336,62.412 v1(-31.254,62.412)
霍尔5: P1.7 U65.2 | length 190.9
  Top Layer w0.1: P1.7 2.6,-70.257 v1(2.813,-70.043) ; U65.2@38.566,57.143 38.842,57.143 v1(39.339,57.64)
  Bottom Layer w0.1: v1(2.813,-70.043) ccw(c0,0) 39.806,57.702 39.4,57.702 v1(39.339,57.64) v1@39.278,57.579
霍尔6: P1.9 U66.2 | length 115.3
  Top Layer w0.1: v1@4.855,-69.428 4.855,-83.915 P1.9 ; U66.2 69.076,-4.558 69.076,-4.816 ; 69.076,-4.816 69.076,-4.975 69.241,-5.14 69.323,-5.222 69.323,-5.423 v1(69.4,-5.5)
  Bottom Layer w0.1: v1(4.855,-69.43) ccw(c0,0) v1@69.385,-5.461
pads on no net: D1.2

## Polygon pours and split planes (outlines as drawn)
GND on Bottom Layer "GND_L02_P001" (solid, remove dead copper, pour order 1): -82,76.4 -81.9,76.5 78.8,76.5 78.8,-79.9 -81.9,-79.9 -81.9,76.4 -82,76.5
GND on Top Layer "GND_L01_P000" (solid, pour order 0): -81.9,71.5 -82,76.5 79.1,76.5 79.1,-80 -81.9,-80

## Other copper
Top Layer:
  pour cut-out: 2.1,64.7 2.1,76.8 2.9,76.8 2.9,64.7
Bottom Layer:
  pour cut-out: 4.2,64.5 4.2,76.6 5,76.6 5,64.5

## Silkscreen, mask and mechanical layers (free items; w line width, h text height)
Top Overlay:
  text "Hollow-Clock-4.1" at -6.362,-72.7 h2
  text "Designed by" at -4.653,-74.867 h2
  text "Mountain Qi" at -4.513,-76.756 h2
Bottom Overlay:
  circle w5: c0,0 r68.1
Mechanical 1:
  circle w0.025: c0,0 r65.7
  lines w0.025: -7.5,-69.9 -7.5,-86.9 -4.6,-89.8 4.7,-89.8 7.5,-87 7.5,-69.9 ; -7.5,-69.899 cw(c0,0) 7.5,-69.899
Mechanical 13:
  lines w0.025: 0,-70.3 0,0